# Allegro board SDHCalFEB.brd (continued)
## Routing (per net, layer and track width the routed paths; a pad name or vN(x,y) marks a point on that pad's centre or on a via; arc(x,y) is an arc through that point) (continued)
READOUT1_B1TOB2: length 91.5
  TOP w0.127: TP56.1 237.06,224.01 U390.110 234.58,224.01 v2(233.4,224.01) ; TP46.1 316.57,225.31 v2(315.77,225.31) U325.112
  GND1 w0.127: v2(315.77,225.31) v3(316.51,225.31) ; v2(233.4,224.01) v3(232.66,224.01)
  SIG2 w0.127: v3(316.51,225.31) 268.74,225.31 267.92,224.49 248.72,224.49 248.24,224.01 v3(232.66,224.01)
READOUT1_B2TOB3: length 90.7
  TOP w0.127: v2(153.39,224.01) 154.57,224.01 U455.110 156.92,224.01 TP67.1 ; v2(233.4,225.31) U390.112 234.59,225.31 TP57.1
  GND1 w0.127: v2(233.4,225.31) v3(234.14,225.31) ; v2(153.39,224.01) v3(152.87,224.53)
  SIG2 w0.127: v3(234.14,225.31) 185.35,225.31 184.06,224.01 v2(153.39,224.01) v3(152.87,224.53)
READOUT1_B3TOB4: length 89
  TOP w0.127: TP78.1 76.81,224.01 U520.110 v2(73.38,224.01) ; TP68.1 156.92,225.31 U455.112 v2(151.89,225.31)
  GND1 w0.127: v2(151.89,225.31) v3(151.16,225.31) ; v2(73.38,224.01) v3(72.64,224.01)
  SIG2 w0.127: v3(72.64,224.01) 99.78,224.01 101.08,225.31 v3(151.16,225.31)
READOUT1_C1TOC2: length 90.9
  TOP w0.127: TP100.1 237.38,144 U650.110 v2(233.4,144) ; TP90.1 317.14,145.3 v2(315.78,145.3) U585.112
  GND1 w0.127: v2(315.78,145.3) 315.39,145.3 315.37,145.32 v3(315.04,145.32) ; v2(233.4,144) v3(232.88,144.52)
  SIG2 w0.127: v3(315.04,145.32) 315.03,145.31 265.46,145.31 264.54,144.4 240.16,144.4 239.76,144 v2(233.4,144) v3(232.88,144.52)
READOUT1_C2TOC3: length 88.7
  TOP w0.127: v2(231.47,145.3) U650.112 236.69,145.3 TP101.1 ; TP111.1 156.79,144 U715.110 v2(153.39,144)
  GND1 w0.127: v2(153.39,144) v3(152.66,144) ; v2(231.47,145.3) v3(230.73,145.3)
  SIG2 w0.127: v3(230.73,145.3) 187.46,145.3 186.16,144 v3(152.66,144)
READOUT1_C3TOC4: length 91.7
  TOP w0.127: TP112.1 156.79,145.3 U715.112 v2(152.6,145.3) ; TP124.1 76.68,144 U780.110 v2(71.91,144)
  GND1 w0.127: v2(152.6,145.3) v3(151.87,145.3) ; v2(71.91,144) v3(71.17,144)
  SIG2 w0.127: v3(151.87,145.3) 103.9,145.3 102.6,144 v3(71.17,144)
READOUT1_D1TOD2: length 88.7
  TOP w0.127: U845.112 v2(315.78,65.29) 316.89,65.29 TP136.1 ; TP144.1 236.9,63.99 U910.110 v2(233.4,63.99)
  GND1 w0.127: v2(315.78,65.29) v3(315.04,65.29) ; v2(233.4,63.99) v3(234.14,63.99)
  SIG2 w0.127: v3(234.14,63.99) 264.9,63.99 266.2,65.29 v3(315.04,65.29)
READOUT1_D2TOD3: length 87.5
  TOP w0.127: v2(153.39,63.99) U975.110 156.82,63.99 TP155.1 ; v2(233.4,65.29) U910.112 236.93,65.29 TP145.1
  GND1 w0.127: v2(233.4,65.29) v3(232.67,65.29) ; v2(153.39,63.99) v3(154.13,63.99)
  SIG2 w0.127: v3(232.67,65.29) 186.04,65.29 184.74,63.99 v3(154.13,63.99)
READOUT1_D3TOD4: length 87.5
  TOP w0.127: TP168.1 76.86,63.99 U1040.110 v2(73.38,63.99) ; TP156.1 156.82,65.29 U975.112 v2(153.39,65.29)
  GND1 w0.127: v2(73.38,63.99) v3(74.12,63.99) ; v2(153.39,65.29) v3(152.66,65.29)
  SIG2 w0.127: v3(152.66,65.29) 106.97,65.29 105.67,63.99 v3(74.12,63.99)
READOUT2_A1TOA2: length 83.5
  TOP w0.127: U65.113 v2(313.41,305.97) ; v2(235.76,304.67) U130.111
  GND1 w0.127: v2(313.41,305.97) v3(314.15,305.97) ; v3(235.03,304.67) v2(235.76,304.67)
  SIG2 w0.127: v3(314.15,305.97) 269.65,305.97 268.88,305.21 237.16,305.21 236.62,304.67 v3(235.03,304.67)
READOUT2_A2TOA3: length 85.9
  TOP w0.127: U130.113 v2(235.76,305.97) ; v2(155.75,304.67) 154.57,304.67 U195.111
  GND1 w0.127: v3(155.02,304.67) v2(155.75,304.67) ; v2(235.76,305.97) v3(236.5,305.97)
  SIG2 w0.127: v3(236.5,305.97) 187.53,305.97 186.77,305.21 157.03,305.21 156.49,304.67 v3(155.02,304.67)
READOUT2_A3TOA4: length 84.4
  TOP w0.127: U260.111 v2(75.74,304.67) ; U195.113 v2(155.75,305.97)
  GND1 w0.127: v2(75.74,304.67) v3(76.48,304.67) ; v2(155.75,305.97) v3(156.49,305.97)
  SIG2 w0.127: v3(156.49,305.97) 105.94,305.97 104.65,304.67 v3(76.48,304.67)
READOUT2_B1TOB2: length 82
  TOP w0.127: U325.113 v2(313.41,225.96) ; v2(235.76,224.66) 234.58,224.66 U390.111
  GND1 w0.127: v2(235.76,224.66) v3(236.5,224.66) ; v2(313.41,225.96) v3(314.15,225.96)
  SIG2 w0.127: v3(314.15,225.96) 267.49,225.96 266.65,225.12 248.23,225.12 247.77,224.66 v3(236.5,224.66)
READOUT2_B2TOB3: length 86.6
  TOP w0.127: v2(236.88,225.97) 236.87,225.96 U390.113 ; U455.111 154.57,224.66 v2(158.7,224.66)
  GND1 w0.127: v3(237.62,225.96) 237.08,225.96 237.08,225.97 v2(236.88,225.97) ; v2(158.7,224.66) v3(159.44,224.66)
  SIG2 w0.127: v3(159.44,224.66) 183.33,224.66 184.63,225.96 v3(237.62,225.96)
READOUT2_B3TOB4: length 84.4
  TOP w0.127: U520.111 v2(75.74,224.66) ; U455.113 v2(155.75,225.96)
  GND1 w0.127: v2(155.75,225.96) v3(156.49,225.96) ; v2(75.74,224.66) v3(76.48,224.66)
  SIG2 w0.127: v3(76.48,224.66) 96.67,224.66 97.97,225.96 v3(156.49,225.96)
READOUT2_C1TOC2: length 82
  TOP w0.127: U650.111 v2(235.76,144.65) ; U585.113 v2(312.37,145.95)
  GND1 w0.127: v2(235.76,144.65) v3(235.03,144.65) ; v2(312.37,145.95) v3(311.63,145.95)
  SIG2 w0.127: v3(235.03,144.65) 239.42,144.65 239.95,145.19 264.19,145.19 264.95,145.95 v3(311.63,145.95)
READOUT2_C2TOC3: length 88.2
  TOP w0.127: U715.111 v2(155.75,144.65) ; U650.113 v2(237.67,145.95)
  GND1 w0.127: v2(237.67,145.95) v3(238.4,145.95) ; v2(155.75,144.65) v3(156.49,144.65)
  SIG2 w0.127: v3(238.4,145.95) 186.84,145.95 185.54,144.65 v3(156.49,144.65)
READOUT2_C3TOC4: length 88.3
  TOP w0.127: U715.113 v2(157.73,145.95) ; U780.111 v2(75.74,144.65)
  GND1 w0.127: v2(75.74,144.65) v3(76.48,144.65) ; v2(157.73,145.95) v3(158.47,145.95)
  SIG2 w0.127: v3(76.48,144.65) 101.44,144.65 102.74,145.95 v3(158.47,145.95)
READOUT2_D1TOD2: length 80.5
  TOP w0.127: U845.113 v2(313.41,65.94) ; U910.111 v2(235.76,64.64)
  GND1 w0.127: v2(313.41,65.94) v3(312.68,65.94) ; v2(235.76,64.64) v3(236.5,64.64)
  SIG2 w0.127: v3(236.5,64.64) 264.28,64.64 265.58,65.94 v3(312.68,65.94)
READOUT2_D2TOD3: length 82.9
  TOP w0.127: U910.113 v2(235.76,65.94) ; U975.111 v2(155.75,64.64)
  GND1 w0.127: v2(155.75,64.64) v3(156.49,64.64) ; v2(235.76,65.94) v3(235.03,65.94)
  SIG2 w0.127: v3(156.49,64.64) 184.02,64.64 185.32,65.94 v3(235.03,65.94)
READOUT2_D3TOD4: length 82.9
  TOP w0.127: U975.113 v2(155.75,65.94) ; U1040.111 v2(75.74,64.64)
  GND1 w0.127: v2(75.74,64.64) v3(76.48,64.64) ; v2(155.75,65.94) v3(155.02,65.94)
  SIG2 w0.127: v3(76.48,64.64) 105.36,64.64 106.66,65.94 v3(155.02,65.94)
RESET_B: length 45.1
  TOP w0.127: J34.A23 v1(394.75,190.38) ; U1051.15 U1051.14 ; U1051.15 U1051.16 U1051.17 ; U1051.15 v1(353.94,189.89)
  SIG2 w0.127: v1(353.94,189.89) 354.09,189.74 394.12,189.74 v1(394.75,190.38)
RESET_B_A: length 394.5
  TOP w0.127: U65.102 v2(316.66,298.82) ; U1051.9 v1(348.34,190.54) ; U260.102 v2(73.38,298.82) ; v2(231.98,298.82) U130.102 ; v2(152.6,298.82) U195.102
  GND1 w0.127: v2(152.6,298.82) v3(151.87,298.82) ; v2(316.66,298.82) v3(317.4,298.82) ; v2(73.38,298.82) v3(72.64,298.82) ; v2(231.98,298.82) v3(231.24,298.82)
  SIG2 w0.127: v1(339.42,297.99) 318.64,297.99 317.82,298.82 v3(317.4,298.82) 313.68,298.82 311.79,296.93 259.16,296.93 257.78,298.3 236.27,298.3 235.75,298.82 v3(231.24,298.82) 210.22,298.82 209.52,298.12 179.07,298.12 178.37,298.82 v3(151.87,298.82) 146.88,298.82 146.35,298.3 76.2,298.3 75.68,298.82 v3(72.64,298.82)
  BOTTOM w0.127: v1(348.34,190.54) 345.43,190.54 344.32,191.64 344.32,280.77 339.42,285.67 v1(339.42,297.99)
RESET_B_B: length 311.8
  TOP w0.127: v2(152.65,218.8) 152.65,218.81 U455.102 ; U325.102 v2(315.77,218.81) ; v2(233.4,218.81) U390.102 ; U1051.10 v1(345.9,189.89) ; U520.102 v2(73.38,218.81)
  GND1 w0.127: v2(73.38,218.81) v3(74.12,218.81) ; v2(233.4,218.81) v3(234.14,218.81) ; v2(315.77,218.81) v3(315.04,218.81) ; v2(152.65,218.8) v3(152.13,218.28)
  SIG2 w0.127: v3(342.47,219.18) 332.38,219.18 330.91,217.7 321.56,217.7 320.46,218.81 v3(315.04,218.81) 314.62,218.81 313.46,217.65 269.98,217.65 269.13,218.5 239.53,218.5 239.23,218.81 v3(234.14,218.81) 232.91,218.81 232.26,218.16 158.85,218.16 158.2,218.81 152.65,218.81 v3(152.13,218.28) 152.08,218.24 96.01,218.24 95.44,218.81 v3(74.12,218.81)
  SIG3 w0.127: v1(345.9,189.89) 342.47,193.32 v3(342.47,219.18)
RESET_B_C: length 319.2
  TOP w0.127: U780.102 v2(73.38,138.8) ; U715.102 v2(153.39,138.8) ; U1051.11 v1(348.57,189.24) ; v2(315.78,138.8) U585.102 ; U650.102 v2(233.4,138.8)
  GND1 w0.127: v2(73.38,138.8) v3(74.12,138.8) ; v2(233.4,138.8) 232.96,138.36 v3(232.81,138.36) ; v2(315.78,138.8) v3(315.04,138.8) ; v2(153.39,138.8) v3(152.66,138.8)
  SIG1 w0.127: v3(315.04,138.8) 316.51,138.8 321.63,143.92 321.63,166.03 344.84,189.24 v1(348.57,189.24)
  SIG2 w0.127: v3(74.12,138.8) 78.12,138.8 78.71,138.2 152.06,138.2 v3(152.66,138.8) 159.68,138.8 159.97,138.51 190.09,138.51 190.42,138.18 208.05,138.18 208.23,138.36 v3(232.81,138.36) 232.92,138.36 233.36,138.8 254.9,138.8 255.85,137.85 314.08,137.85 v3(315.04,138.8)
RESET_B_D: length 400.6
  TOP w0.127: U845.102 v2(315.78,58.79) ; U910.102 v2(233.4,58.79) ; U1051.12 347.15,188.59 v1(345.97,188.59) ; U975.102 v2(153.39,58.79) ; U1040.102 v2(73.38,58.79)
  GND1 w0.127: v2(153.39,58.79) v3(154.13,58.79) ; v2(315.78,58.79) v3(316.51,58.79) ; v2(73.38,58.79) v3(72.65,58.79) ; v2(233.4,58.79) v3(234.14,58.79)
  SIG2 w0.127: v3(72.65,58.79) 77.68,58.79 78.51,57.96 153.3,57.96 v3(154.13,58.79) 158,58.79 158.62,58.17 233.52,58.17 v3(234.14,58.79) 237.93,58.79 238.58,58.14 314.55,58.14 315.2,58.79 v3(316.51,58.79) 319.75,58.79 320.14,58.39 322.66,58.39 340.77,76.5 340.77,183.39 v1(345.97,188.59)
ROWSELECT0: length 55.5
  TOP w0.127: U1073.1 378.47,243.27 385.44,250.24 v1(385.44,251.31) ; J35.B34 v1(391.92,268.1)
  TOP w0.508: R2591.1 390.4,268.1 v1(391.92,268.1)
  SIG1 w0.127: v1(385.44,251.31) 385.44,264.11 389.43,268.1 v1(391.92,268.1)
ROWSELECT1: length 62
  TOP w0.127: J35.A35 v1(394.75,269.37) ; U1073.10 378.47,219.01 379.7,220.24 379.7,243.26 386.56,250.11 v1(386.56,251.23)
  SIG1 w0.127: v1(386.56,251.23) 386.56,263.37 389.43,266.24 392.66,266.24 393.7,267.28 393.7,268.32 v1(394.75,269.37)
  BOTTOM w0.508: v1(394.75,269.37) 394.75,269.37 R2590.1
ROWSELECT2: length 2.3
  TOP w0.508: R2589.1 390.4,270.64 J35.B36
RST_COUNTERB: length 46.5
  TOP w0.127: v1(353.94,194.44) U1051.22 ; U1051.22 U1051.23 ; U1051.22 U1051.21 U1051.20 ; J34.A24 v1(394.75,191.65)
  SIG1 w0.127: v1(353.94,194.44) 357.42,190.96 394.06,190.96 v1(394.75,191.65)
RST_COUNTERB_A: length 387.5
  TOP w0.127: U1051.1 v1(348.63,195.74) ; U260.109 v2(77.44,303.37) ; v2(235.76,303.37) U130.109 ; U65.109 v2(313.41,303.37) ; U195.109 154.57,303.37 v2(155.75,303.37)
  GND1 w0.127: v3(156.49,303.37) v2(155.75,303.37) ; v2(313.41,303.37) v3(312.67,303.37) ; v3(78.18,303.37) v2(77.44,303.37) ; v3(236.5,303.37) v2(235.76,303.37)
  SIG2 w0.127: v1(340.46,299.64) 326.67,299.64 326.54,299.77 326.07,299.77 325.95,299.64 321.84,299.64 318.13,303.35 313.24,303.35 313.22,303.37 v3(312.67,303.37) 312.03,304.01 284.63,304.01 283.95,304.7 275.41,304.7 274.37,303.66 237.87,303.66 237.58,303.37 v3(236.5,303.37) 232.27,303.37 231.62,304.01 205.03,304.01 204.45,304.59 198.65,304.59 198.22,304.17 191.08,304.17 190.68,303.76 158.04,303.76 157.65,303.37 v3(156.49,303.37) 152.92,303.37 152.25,304.04 124.52,304.04 123.86,304.7 111.66,304.7 110.33,303.37 v3(78.18,303.37)
  BOTTOM w0.127: v1(340.46,299.64) 341.68,299.64 345.24,296.09 345.24,198.71 345.2,198.67 345.2,196.64 346.09,195.74 v1(348.63,195.74)
RST_COUNTERB_B: length 309.9
  TOP w0.127: U1051.2 v1(345.87,195.09) ; v2(77.8,223.36) U520.109 ; U455.109 v2(157.89,223.36) ; v2(237.13,223.35) 237.13,223.36 U390.109 ; U325.109 v2(313.41,223.36)
  GND1 w0.127: v2(237.13,223.35) 237.28,223.35 237.29,223.36 v3(237.87,223.36) ; v2(157.89,223.36) v3(158.62,223.36) ; v2(313.41,223.36) v3(312.68,223.36) ; v2(77.8,223.36) v3(78.54,223.36)
  SIG2 w0.127: v3(343.46,220.52) 321.72,220.52 318.87,223.37 313.23,223.37 313.22,223.36 v3(312.68,223.36) 304.48,223.36 303.81,224.03 284.66,224.03 284.02,223.39 281.97,223.39 281.81,223.55 249.2,223.55 249.01,223.36 v3(237.87,223.36) 232.06,223.36 231.33,224.09 204.46,224.09 203.86,224.69 185.93,224.69 184.6,223.36 v3(158.62,223.36) 152.92,223.36 152.25,224.03 124.79,224.03 124.18,224.64 114.73,224.64 113.84,223.75 100.84,223.75 100.45,223.36 v3(78.54,223.36)
  SIG3 w0.127: v3(343.46,220.52) 343.46,197.5 v1(345.87,195.09)
RST_COUNTERB_C: length 321.1
  TOP w0.127: U650.109 v2(235.76,143.35) ; U1051.3 v1(348.34,194.44) ; U715.109 v2(158.17,143.35) ; U780.109 v2(77.75,143.35) ; U585.109 v2(312.27,143.35)
  GND1 w0.127: v2(77.75,143.35) v3(78.49,143.35) ; v2(158.17,143.35) v3(158.9,143.35) ; v2(312.27,143.35) v3(311.53,143.35) ; v2(235.76,143.35) v3(236.5,143.35)
  SIG1 w0.127: v3(311.53,143.35) 317.7,143.35 320.78,146.43 320.78,166.88 v1(348.34,194.44)
  SIG2 w0.127: v3(78.49,143.35) 104.31,143.35 105.71,144.75 123.49,144.75 124.26,143.99 151.56,143.99 152.2,143.35 v3(158.9,143.35) 186.76,143.35 188.06,144.65 204.11,144.65 204.75,144.02 231.98,144.02 232.65,143.35 v3(236.5,143.35) 240.1,143.35 240.51,143.76 265.1,143.76 265.86,144.53 281.33,144.53 282.43,143.43 283.84,143.43 284.43,144.02 310.86,144.02 v3(311.53,143.35)
RST_COUNTERB_D: length 406.4
  TOP w0.127: U1040.109 v2(77.9,63.34) ; U845.109 v2(313.41,63.34) ; U975.109 v2(158.88,63.34) ; v1(345.97,193.79) U1051.4 ; U910.109 v2(238.33,63.34)
  GND1 w0.127: v2(238.33,63.34) v3(239.06,63.34) ; v2(77.9,63.34) v3(78.64,63.34) ; v2(313.41,63.34) v3(312.89,63.86) ; v2(158.88,63.34) v3(159.61,63.34)
  SIG2 w0.127: v1(345.97,193.79) 339.98,187.8 339.98,76.71 326.61,63.34 313.42,63.34 312.93,63.83 312.93,63.83 v3(312.89,63.86) 312.77,63.98 284.58,63.98 283.92,64.64 266.83,64.64 265.52,63.34 v3(239.06,63.34) 232.42,63.34 231.75,64.01 204.57,64.01 203.91,64.67 186.92,64.67 185.59,63.34 v3(159.61,63.34) 153.27,63.34 152.63,63.98 124.61,63.98 123.95,64.64 107.39,64.64 106.09,63.34 v3(78.64,63.34)
SELECT: length 44.2
  TOP w0.127: U1050.15 U1050.14 ; U1050.15 U1050.16 U1050.17 ; U1050.15 v1(353.94,198.47) ; J34.B25 v1(391.92,192.92)
  SIG2 w0.127: v1(353.94,198.47) 359.5,192.92 v1(391.92,192.92)
SELECT_A: length 385.7
  TOP w0.127: U195.114 154.57,306.62 U195.114 ; U195.114 v2(153.39,306.62) ; U1050.9 v1(348.5,199.12) ; U260.114 v2(73.38,306.62) ; U130.114 v2(233.4,306.62) ; v2(317.02,306.62) U65.114
  GND1 w0.127: v3(232.66,306.62) v2(233.4,306.62) ; v3(152.65,306.62) v2(153.39,306.62) ; v2(317.02,306.62) v3(317.75,306.62) ; v2(73.38,306.62) v3(74.12,306.62)
  SIG2 w0.127: v1(339.97,302.83) 331.17,302.83 327.38,306.62 v3(317.75,306.62) v3(232.66,306.62) 186.5,306.62 185.59,305.7 181.42,305.7 180.5,306.62 v3(152.65,306.62) v3(74.12,306.62)
  BOTTOM w0.127: v1(348.5,199.12) 347.27,200.36 347.27,203.94 346.13,205.08 346.13,296.65 340.29,302.49 340.29,302.51 v1(339.97,302.83)
SELECT_B: length 309
  TOP w0.127: v2(316.56,226.61) 314.59,226.61 U325.114 ; U455.114 v2(153.39,226.61) ; U520.114 v2(73.38,226.61) ; U390.114 v2(232.38,226.61) ; U1050.10 v1(345.67,198.47)
  GND1 w0.127: v2(232.38,226.61) v3(231.65,226.61) ; v2(153.39,226.61) v3(152.65,226.61) ; v2(316.56,226.61) v3(317.3,226.61) ; v2(73.38,226.61) v3(72.64,226.61)
  SIG2 w0.127: v3(341.5,224.69) 332.61,224.69 330.69,226.61 v3(317.3,226.61) 310.12,226.61 309.52,227.2 263.35,227.2 262.75,226.61 v3(231.65,226.61) v3(152.65,226.61) 152.11,226.61 v3(72.64,226.61)
  SIG3 w0.127: v1(345.67,198.47) 344.25,199.9 344.25,221.95 v3(341.5,224.69)
SELECT_C: length 325.9
  TOP w0.127: v2(316.81,146.6) U585.114 ; U650.114 v2(233.4,146.6) ; U780.114 v2(72.31,146.6) ; U715.114 v2(151.56,146.6) ; U1050.11 v1(348.34,197.82)
  GND1 w0.127: v2(72.31,146.6) v3(71.58,146.6) ; v2(151.56,146.6) v3(150.83,146.6) ; v2(316.81,146.6) v3(317.55,146.6) ; v2(233.4,146.6) v3(232.67,146.6)
  SIG1 w0.127: v1(348.34,197.82) 344.86,197.82 319.91,172.87 319.91,150 317.55,147.64 v3(317.55,146.6)
  SIG2 w0.127: v3(317.55,146.6) 264.58,146.6 263.86,145.87 257.68,145.87 256.96,146.6 v3(232.67,146.6) v3(150.83,146.6) 102.51,146.6 101.85,145.95 97.84,145.95 97.19,146.6 v3(71.58,146.6)
SELECT_D: length 404.8
  TOP w0.127: U845.114 v2(315.78,66.59) ; U1040.114 v2(72.34,66.59) ; U975.114 v2(151.66,66.59) ; U1050.12 v1(345.97,197.17) ; U910.114 v2(231.65,66.59)
  GND1 w0.127: v2(72.34,66.59) v3(71.6,66.59) ; v2(151.66,66.59) v3(150.93,66.59) ; v2(231.65,66.59) v3(230.91,66.59) ; v2(315.78,66.59) v3(316.51,66.59)
  SIG2 w0.127: v3(71.6,66.59) 77.43,66.59 78,66.01 99.09,66.01 99.49,65.61 105.36,65.61 106.34,66.59 v3(150.93,66.59) 158.68,66.59 159.77,65.51 163.93,65.51 164.36,65.94 179.02,65.94 179.67,66.59 v3(230.91,66.59) 238.9,66.59 239.69,65.8 264.22,65.8 265.01,66.59 v3(316.51,66.59) 318.91,66.59 339.17,86.84 339.17,190.37 v1(345.97,197.17)
SR_A1TOA2: length 85.1
  TOP w0.127: v2(237.57,308.57) U130.117 ; TP5.1 v2(315.77,309.22) U65.118
  GND1 w0.127: v2(315.77,309.22) v3(316.51,309.22) ; v3(238.3,308.57) v2(237.57,308.57)
  SIG2 w0.127: v3(238.3,308.57) 309.92,308.57 310.57,309.22 v3(316.51,309.22)
SR_A2TOA3: length 82.4
  TOP w0.127: v2(233.4,309.22) U130.118 TP16.1 ; v2(157.56,308.57) U195.117
  GND1 w0.127: v2(233.4,309.22) v3(232.66,309.22) ; v2(157.56,308.57) v3(158.29,308.57)
  SIG2 w0.127: v3(158.29,308.57) 179.74,308.57 180.39,309.22 v3(232.66,309.22)
SR_A3TOA4: length 82.4
  TOP w0.127: v2(77.62,308.57) U260.117 ; TP25.1 U195.118 v2(153.39,309.22)
  GND1 w0.127: v2(153.39,309.22) v3(152.65,309.22) ; v3(78.36,308.57) v2(77.62,308.57)
  SIG2 w0.127: v3(152.65,309.22) 97.23,309.22 96.58,308.57 v3(78.36,308.57)
SR_B1TOB2: length 84.9
  TOP w0.127: U325.118 v2(315.77,229.21) TP47.1 ; U390.117 237.18,228.56 v2(237.19,228.56)
  GND1 w0.127: v2(315.77,229.21) v3(316.51,229.21) ; v2(237.19,228.56) 237.26,228.56 237.26,228.56 v3(237.92,228.56)
  SIG2 w0.127: v3(316.51,229.21) 262.23,229.21 261.58,228.56 v3(237.92,228.56)
SR_B2TOB3: length 82.7
  TOP w0.127: v2(232.36,229.21) U390.118 234.59,229.22 TP58.1 ; U455.117 v2(157.99,228.56)
  GND1 w0.127: v2(157.99,228.56) v3(158.72,228.56) ; v2(232.36,229.21) v3(231.62,229.21)
  SIG2 w0.127: v3(231.62,229.21) 184.81,229.21 184.16,228.56 v3(158.72,228.56)
SR_B3TOB4: length 82.6
  TOP w0.127: TP69.1 156.85,229.21 U455.118 v2(153.39,229.21) ; U520.117 v2(77.67,228.56)
  GND1 w0.127: v2(77.67,228.56) v3(78.41,228.56) ; v2(153.39,229.21) v3(152.65,229.21)
  SIG2 w0.127: v3(78.41,228.56) 98.56,228.56 99.21,229.21 v3(152.65,229.21)
SR_C1TOC2: length 85.4
  TOP w0.127: U650.117 v2(237.85,148.55) ; U585.118 v2(315.78,149.2) 317.01,149.2 TP91.1
  GND1 w0.127: v2(315.78,149.2) v3(316.51,149.2) ; v2(237.85,148.55) v3(238.58,148.55)
  SIG2 w0.127: v3(238.58,148.55) 257.49,148.55 258.14,149.2 v3(316.51,149.2)
SR_C2TOC3: length 82.3
  TOP w0.127: TP102.1 U650.118 v2(233.4,149.2) ; U715.117 v2(157.76,148.55)
  GND1 w0.127: v2(233.4,149.2) v3(232.67,149.2) ; v2(157.76,148.55) v3(158.5,148.55)
  SIG2 w0.127: v3(232.67,149.2) 178.74,149.2 178.09,148.55 v3(158.5,148.55)
SR_C3TOC4: length 82.5
  TOP w0.127: TP113.1 156.76,149.2 U715.118 v2(151.79,149.2) ; U780.117 v2(75.74,148.55)
  GND1 w0.127: v2(151.79,149.2) v3(151.05,149.2) ; v2(75.74,148.55) v3(76.48,148.55)
  SIG2 w0.127: v3(151.05,149.2) 98.25,149.2 97.6,148.55 v3(76.48,148.55)
SR_CK_A: length 360.8
  TOP w0.127: U195.116 154.57,307.92 U195.116 ; U195.116 v2(153.39,307.92) ; v2(233.4,307.92) U130.116 ; U65.116 v2(315.77,307.92) ; v2(73.38,307.92) U260.116 ; v1(391.92,247.78) J35.B18
  GND1 w0.127: v2(233.4,307.92) v3(234.14,307.92) ; v3(72.64,307.92) v2(73.38,307.92) ; v3(154.13,307.92) v2(153.39,307.92) ; v2(315.77,307.92) v3(315.04,307.92)
  SIG1 w0.127: v3(315.04,307.92) 320.8,307.92 321.23,308.36 335.51,308.36 349.86,294 349.86,280.77 382.85,247.78 v1(391.92,247.78)
  SIG2 w0.127: v3(72.64,307.92) v3(154.13,307.92) v3(234.14,307.92) v3(315.04,307.92)
SR_CK_B: length 339.3
  TOP w0.127: U455.116 v2(151.61,227.91) ; U390.116 v2(233.4,227.91) ; U520.116 v2(73.38,227.91) ; v1(394.75,228.73) J35.A3 ; U325.116 v2(317.14,227.91)
  GND1 w0.127: v2(233.4,227.91) v3(232.66,227.91) ; v2(317.14,227.91) v3(317.88,227.91) ; v2(73.38,227.91) v3(74.12,227.91) ; v2(151.61,227.91) v3(150.88,227.91)
  SIG1 w0.127: v1(394.75,228.73) 393.45,227.43 377.93,227.43 372.9,222.4 359.97,222.4 353.24,229.13 326.03,229.13 324.74,227.84 318.13,227.84 318.06,227.91 v3(317.88,227.91)
  SIG2 w0.127: v3(317.88,227.91) 311.54,227.91 310.87,228.57 262.74,228.57 262.07,227.91 v3(232.66,227.91) v3(150.88,227.91) 150.24,228.55 99.69,228.55 99.06,227.91 v3(74.12,227.91)
SR_CK_C: length 347.5
  TOP w0.127: v1(391.92,184.03) J34.B18 ; U715.116 v2(153.39,147.9) ; U780.116 v2(73.38,147.9) ; U650.116 v2(231.19,147.9) ; v2(318.34,147.9) U585.116
  GND1 w0.127: v2(231.19,147.9) v3(230.45,147.9) ; v2(73.38,147.9) v3(72.65,147.9) ; v2(153.39,147.9) v3(152.66,147.9) ; v2(318.34,147.9) v3(319.07,147.9)
  SIG1 w0.127: v3(329.46,147.88) 329.56,147.98 330.14,147.98 362.61,180.44 374.5,180.44 378.09,184.03 v1(391.92,184.03)
  SIG2 w0.127: v3(329.46,147.88) 319.1,147.88 v3(319.07,147.9) v3(230.45,147.9) v3(152.66,147.9) v3(72.65,147.9)
SR_CK_D: length 357.4
  TOP w0.127: U975.116 v2(153.39,67.89) ; U1040.116 v2(73.38,67.89) ; J33.B26 v1(391.77,130.43) ; U845.116 v2(317.63,67.89) ; U910.116 v2(233.4,67.89)
  GND1 w0.127: v2(73.38,67.89) v3(72.65,67.89) ; v2(317.63,67.89) v3(318.36,67.89) ; v2(233.4,67.89) v3(232.67,67.89) ; v2(153.39,67.89) v3(152.66,67.89)
  SIG1 w0.127: v3(318.36,67.89) 321.69,67.89 349.81,96.01 349.81,99.34 380.9,130.43 v1(391.77,130.43)
  SIG2 w0.127: v3(318.36,67.89) v3(232.67,67.89) v3(152.66,67.89) v3(72.65,67.89)
SR_CK_E: length 99.7
  TOP w0.127: R1344.2 v1(356.51,34.24) ; J33.A11 v1(394.75,111.38)
  SIG1 w0.127: v1(356.51,34.24) 357.12,34.85 357.12,76.1 371.73,90.7 379.68,90.7 386.69,97.71 387.55,97.71 394.08,104.24 394.08,110.71 v1(394.75,111.38)
SR_D1TOD2: length 85.2
  TOP w0.127: TP137.1 316.83,69.19 v2(315.78,69.19) U845.118 ; U910.117 v2(237.9,68.54)
  GND1 w0.127: v2(315.78,69.19) v3(316.51,69.19) ; v2(237.9,68.54) v3(238.63,68.54)
  SIG2 w0.127: v3(238.63,68.54) 257.08,68.54 257.73,69.19 v3(316.51,69.19)
SR_D2TOD3: length 82.6
  TOP w0.127: v2(231.62,69.19) U910.118 236.84,69.19 TP146.1 ; U975.117 v2(157.91,68.54)
  GND1 w0.127: v2(157.91,68.54) v3(158.65,68.54) ; v2(231.62,69.19) v3(230.89,69.19)
  SIG2 w0.127: v3(230.89,69.19) 182.65,69.19 182,68.54 v3(158.65,68.54)
SR_D3TOD4: length 82.6
  TOP w0.127: U1040.117 v2(77.57,68.54) ; TP157.1 156.91,69.19 U975.118 v2(151,69.19)
  GND1 w0.127: v2(77.57,68.54) v3(78.31,68.54) ; v2(151,69.19) v3(150.27,69.19)
  SIG2 w0.127: v3(150.27,69.19) 98.07,69.19 97.42,68.54 v3(78.31,68.54)
SR_IN_A: length 120.2
  TOP w0.127: J35.A19 v1(394.75,249.05) ; v2(312.6,308.57) U65.117
  GND1 w0.127: v2(312.6,308.57) v3(311.86,308.57)
  SIG1 w0.127: v3(311.86,308.57) 320.15,308.57 321.54,309.96 335.81,309.96 351.08,294.69 351.08,281.03 382.45,249.66 394.14,249.66 v1(394.75,249.05)
SR_IN_B: length 86.4
  TOP w0.127: v2(313.41,228.56) U325.117 ; J35.B4 v1(391.92,230)
  GND1 w0.127: v3(314.15,228.56) v2(313.41,228.56)
  SIG1 w0.127: v3(314.15,228.56) 322.82,228.56 324.04,229.78 353.99,229.78 360.45,223.32 372.21,223.32 378.89,230 v1(391.92,230)
SR_IN_C: length 105.8
  TOP w0.127: v1(394.75,185.3) J34.A19 ; U585.117 v2(313.41,148.55)
  GND1 w0.127: v3(314.15,148.55) v2(313.41,148.55)
  SIG1 w0.127: v1(394.75,185.3) 394.12,184.66 376.81,184.66 373.99,181.84 349.83,181.84 346.86,178.87 346.86,166.47 v3(330,149.61)
  SIG2 w0.127: v3(330,149.61) 325.54,149.61 324.49,148.55 v3(314.15,148.55)
SR_IN_D: length 110.9
  TOP w0.127: v1(394.75,131.7) J33.A27 ; U845.117 v2(313.41,68.54)
  GND1 w0.127: v2(313.41,68.54) v3(312.68,68.54)
  SIG1 w0.127: v3(312.68,68.54) 317.36,68.54 379.91,131.09 394.14,131.09 v1(394.75,131.7)
SR_IN_E: length 3.3
  TOP w0.127: J33.B12 390.48,112.65 R1338.2
SR_OUT_A: length 362.8
  TOP w0.127: J35.B20 v1(391.92,250.32) ; TP36.1 U260.118 v2(73.38,309.22)
  GND1 w0.127: v2(73.38,309.22) v3(74.12,309.22)
  SIG2 w0.127: v1(391.92,250.32) 383.41,250.32 352.83,280.9 352.83,295.25 329.84,318.24 83.13,318.24 v3(74.12,309.22)
SR_OUT_B: length 336.2
  TOP w0.127: v2(73.38,229.21) U520.118 76.75,229.21 TP80.1 ; v1(394.75,231.27) J35.A5
  GND1 w0.127: v2(73.38,229.21) v3(72.64,229.21)
  SIG2 w0.127: v3(72.64,229.21) 84.1,240.66 319.46,240.66 327.33,232.79 365.1,232.79 367.26,230.63 394.12,230.63 v1(394.75,231.27)
SR_OUT_C: length 346.4
  TOP w0.127: v2(72.11,149.2) U780.118 76.78,149.2 TP126.1 ; v1(391.92,186.57) J34.B20
  GND1 w0.127: v2(72.11,149.2) v3(71.37,149.2)
  SIG2 w0.127: v3(337.26,155.96) 328.3,155.96 323.36,160.89 259.75,160.89 259.75,160.9 259.27,160.9 259.27,160.89 84.34,160.89 72.65,149.2 v3(71.37,149.2)
  SIG3 w0.127: v3(337.26,155.96) 337.36,155.85 358.67,155.85 389.38,186.57 v1(391.92,186.57)
SR_OUT_D: length 356.4
  TOP w0.127: v1(394.75,134.24) J33.A29 ; TP170.1 76.67,69.19 U1040.118 v2(72.14,69.19)
  GND1 w0.127: v2(72.14,69.19) v3(71.4,69.19)
  SIG1 w0.127: v1(394.75,134.24) 394.14,133.63 381.28,133.63 334.39,86.74 v3(327.15,86.74)
  SIG2 w0.127: v3(71.4,69.19) 72.65,69.19 81.76,78.31 318.72,78.31 v3(327.15,86.74)
SR_OUT_E: length 7.6
  TOP w0.127: R1338.1 v1(390.5,110.34) ; v1(394.75,113.92) J33.A13